# Altium PCB IoT_Greenhouse V1.0 A.PcbDoc (part 1 of 2) (continued)
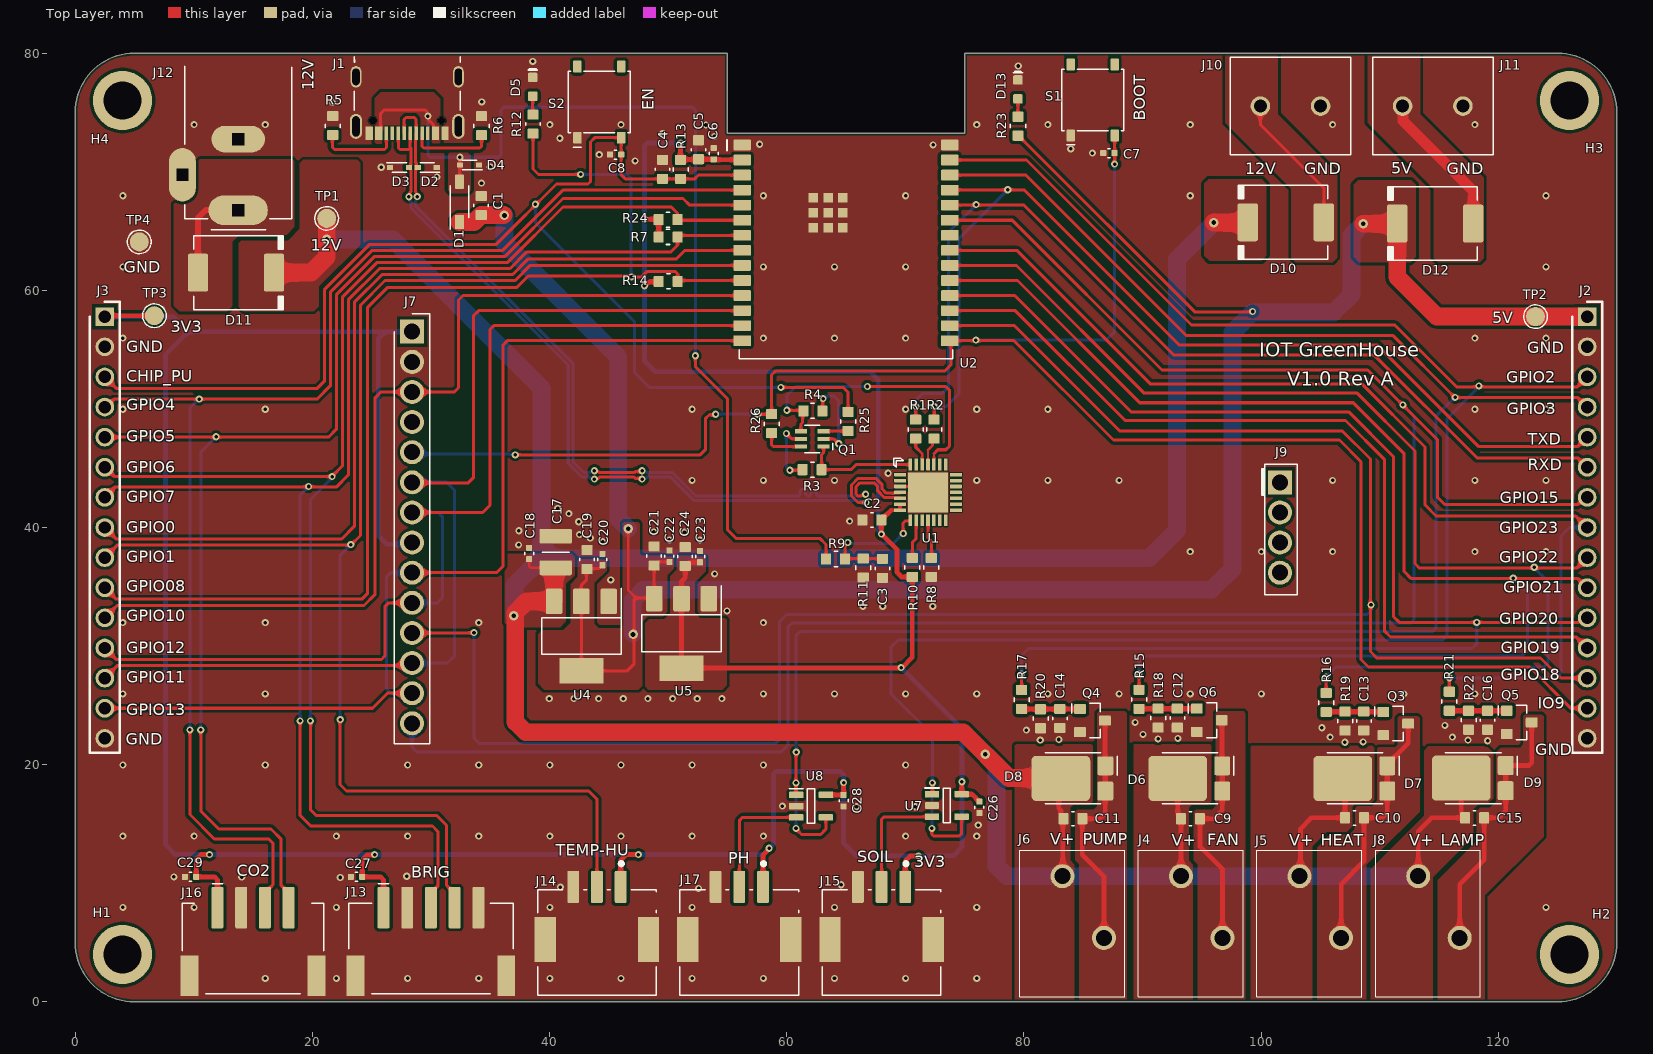
[diagram p0: Top Layer view]
## Part data (continued)
Q3 Q4 Q5 Q6: library part TRANS_FET_CH_N_20V_6.5A_DMG6968U-7, "Trans Mosfet N-ch 20V 6.5A 3-PIN SOT-23 T/r Trans Mosfet N-ch 20V 6.5A 3-PIN SOT-23 T/r", Case/Package=SOT-23-3, Continuous Drain Current (ID)=6.5A, Drain to Source Resistance=25mR, Drain to Source Voltage (Vdss)=20V, Drain-source On Resistance-Max=36mR, Gate to Source Voltage (Vgs)=12V, Input Capacitance=151pF, Manufacturer=Diodes, Max Operating Temperature=150°C, Max Power Dissipation=1.3W, Min Operating Temperature=-55°C, Package Quantity=1, Supplier Part Number 1=DMG6968UDICT-ND, Threshold Voltage=500mV, Category=MOSFETs, ComponentLink1Description=https://datasheet.ciiva.com/5774/ds31738-5774992.pdf?src-supplier=Farnell, ComponentLink1URL=https://datasheet.ciiva.com/5774/ds31738-5774992.pdf?src-supplier=Farnell, ComponentLink2Description=https://datasheet.ciiva.com/22712/1915638-22712395.pdf?src-supplier=Element14, ComponentLink2URL=https://datasheet.ciiva.com/22712/1915638-22712395.pdf?src-supplier=Element14, Fall Time=205ns, Height=1mm, Lead Free="Lead Free", Length=2.9mm, Manufacturer Part Number=DMG6968U-7, Mount="Surface Mount", Nominal Vgs=500mV, Number of Channels=1, Number of Pins=3, Packaging="Tape and Reel", Polarity=N-CHANNEL, Pricing 1="1=0.37, 10=0.289, 100=0.1732, 500=0.16034, 1000=0.10903 (USD)", Radiation Hardening=No, Rds On Max=25mR, Reach SVHC Compliant=No, Rise Time=66ns, RoHS=Yes, RoHS Compliant=Yes, Series=-, Stock 1=575891, Supplier 1=Digikey, Turn-Off Delay Time=613ns, Turn-On Delay Time=54ns, Weight=0.000282oz, Width=1.3mm
R1 R2 R25 R26: library part RES_0R_1%_100mW_0603, "RC Series 0603 0.1 W 0 Ohm Jumper Surface Mount Thick Film Chip Resistor", Case Code (Imperial)=0603, Case Code (Metric)=1608, Current Rating=1A, Manufacturer=Yageo, Max Operating Temperature=155°C, Max Power Dissipation=100mW, Min Operating Temperature=-55°C, Package Quantity=5000, Resistance=0R, Resistance Tolerance=1%, Resistor Type="Thick Film", Supplier Part Number 1=311-0.0HRCT-ND, Temperature Coefficient=200ppm/°C, Voltage Rating=50V, Working Voltage=75V, Case/Package=0603, Category="Chip SMD Resistors", ComponentLink1Description=https://datasheet.ciiva.com/11808/0900766b80f96399-11808172.pdf?src-supplier=Rs, ComponentLink1URL=https://datasheet.ciiva.com/11808/0900766b80f96399-11808172.pdf?src-supplier=Rs, ComponentLink2Description=https://datasheet.ciiva.com/5684/443971-5684699.pdf?src-supplier=Farnell, ComponentLink2URL=https://datasheet.ciiva.com/5684/443971-5684699.pdf?src-supplier=Farnell, ComponentLink3Description=https://datasheet.ciiva.com/7983/443971-7983627.pdf?src-supplier=Element14, ComponentLink3URL=https://datasheet.ciiva.com/7983/443971-7983627.pdf?src-supplier=Element14, ComponentLink4Description=https://datasheet.ciiva.com/22643/1868787-22643388.pdf?src-supplier=Element14, ComponentLink4URL=https://datasheet.ciiva.com/22643/1868787-22643388.pdf?src-supplier=Element14, ComponentLink5Description=https://datasheet.ciiva.com/46382/443971-46382072.pdf?src-supplier=Element14, ComponentLink5URL=https://datasheet.ciiva.com/46382/443971-46382072.pdf?src-supplier=Element14, ComponentLink6Description=https://datasheet.ciiva.com/29721/pyu-r-int-thick-7-29721178.pdf?src-supplier=Digi-Key, ComponentLink6URL=https://datasheet.ciiva.com/29721/pyu-r-int-thick-7-29721178.pdf?src-supplier=Digi-Key, ComponentLink7Description=https://datasheet.ciiva.com/29721/pyu-rc0603-51-rohs-l-4-29721179.pdf?src-supplier=Digi-Key, ComponentLink7URL=https://datasheet.ciiva.com/29721/pyu-rc0603-51-rohs-l-4-29721179.pdf?src-supplier=Digi-Key, ComponentLink8Description=https://datasheet.ciiva.com/5558/rc0603-272842-5558341.pdf?src-supplier=Mouser, ComponentLink8URL=https://datasheet.ciiva.com/5558/rc0603-272842-5558341.pdf?src-supplier=Mouser, Construction=Rectangular, Contact Plating=Tin,Matte, Depth=0.8mm, Features="Moisture Resistant", Height=0.45mm, Lead Free="Lead Free", Length=1.6mm, Manufacturer Part Number=RC0603FR-070RL, Military Standard=Not, Number of Pins=2, Number of Terminations=2, Packaging="Tape and Reel", Power Rating=100mW, Pricing 1="1=0.10000, 10=0.01800, 25=0.01320, 50=0.01000, 100=0.00730, 250=0.00560, 500=0.00448, 1000=0.00329 (USD)", Radiation Hardening=No, Reach SVHC Compliant=Yes, RoHS=Yes, RoHS Compliant=Yes, Series=RC, Stock 1=2843917, Supplier 1=Digi-Key, Technology="THICK FILM", Termination=SMD/SMT, Tolerance=1%, Voltage Rating (DC)=50V, Width=0.8mm
R3 R4 R8 R13 R14: library part RES_10K_1%_100mW_0603, "Chip Resistor Automotive Grade Thick Film 0603 10kOhm 1% Paper T/R", Case Code (Imperial)=0603, Case Code (Metric)=1608, Manufacturer=Yageo, Max Operating Temperature=155°C, Min Operating Temperature=-55°C, Power Rating=100mW, Resistance=10K, Supplier Part Number 1=13-AC0603FR-1010KLCT-ND, Temperature Coefficient=100ppm/°C, Tolerance=1%, Voltage Rating=50V, Case/Package=0603, Category="Chip SMD Resistors", ComponentLink1Description=http://www.mouser.com/ds/2/447/yageodocoutput-1111992.pdf?src-supplier=Mouser, ComponentLink1URL=http://www.mouser.com/ds/2/447/yageodocoutput-1111992.pdf?src-supplier=Mouser, Height=0.45mm, Length=1.6mm, Manufacturer Part Number=AC0603FR-1010KL, Packaging="Tape and Reel", Pricing 1="1=0.10000, 10=0.02500, 100=0.01030, 1000=0.00463, 2500=0.00402, 5000=0.00332 (USD)", RoHS=Yes, RoHS Compliant=Yes, Series=AC, Stock 1=172891, Supplier 1=Digi-Key, Supplier 2=Newark, Supplier 3=Avnet, Supplier Part Number 2=49AK0662, Supplier Part Number 3=49AK0662, Termination=SMD/SMT, Weight=7.1E-05oz, Width=0.8mm
R5 R6: library part RES_5.1K_1%_100mW_0603, "SMD Chip Resistor, 5.1 kOhm, ± 1%, 100 mW, 0603 [1608 Metric], Thick Film, General Purpose", Case Code (Imperial)=0603, Case Code (Metric)=1608, Manufacturer=Yageo, Max Operating Temperature=155°C, Max Power Dissipation=100mW, Min Operating Temperature=-55°C, Package Quantity=1, Resistance=5.1K, Resistance Tolerance=1%, Resistor Type="Thick Film", Supplier Part Number 1=311-5.10KHRCT-ND, Temperature Coefficient=100ppm/°C, Voltage Rating=50V, Case/Package=0603, Category="Chip SMD Resistors", ComponentLink1Description=https://datasheet.ciiva.com/15189/getdatasheetpartid-326732-15189786.pdf?src-supplier=Verical, ComponentLink1URL=https://datasheet.ciiva.com/15189/getdatasheetpartid-326732-15189786.pdf?src-supplier=Verical, ComponentLink2Description=https://datasheet.ciiva.com/46395/443971-46395016.pdf?src-supplier=Element14, ComponentLink2URL=https://datasheet.ciiva.com/46395/443971-46395016.pdf?src-supplier=Element14, ComponentLink3Description=https://datasheet.ciiva.com/2454/pyu-r-int-thick-7-2454045.pdf?src-supplier=Digi-Key, ComponentLink3URL=https://datasheet.ciiva.com/2454/pyu-r-int-thick-7-2454045.pdf?src-supplier=Digi-Key, ComponentLink4Description=https://datasheet.ciiva.com/2454/pyu-r-int-thick-7-2454046.pdf?src-supplier=Digi-Key, ComponentLink4URL=https://datasheet.ciiva.com/2454/pyu-r-int-thick-7-2454046.pdf?src-supplier=Digi-Key, ComponentLink5Description=https://datasheet.ciiva.com/2454/pyu-r-int-thick-7-2454047.pdf?src-supplier=Digi-Key, ComponentLink5URL=https://datasheet.ciiva.com/2454/pyu-r-int-thick-7-2454047.pdf?src-supplier=Digi-Key, Construction=Rectangular, Depth=0.8mm, Features="Moisture Resistant", Height=0.022inch, Lead Free="Lead Free", Length=0.063inch, Manufacturer Part Number=RC0603FR-075K1L, Military Standard=Not, Number of Pins=2, Number of Terminations=2, Packaging="Tape and Reel", Power Rating=100mW, Pricing 1="1=0.1, 10=0.018, 50=0.0106, 100=0.0088, 500=0.00592, 1000=0.00505 (USD)", Reach SVHC Compliant=No, RoHS=Yes, RoHS Compliant=Yes, Series=RC, Size Code=0603, Stock 1=3197702, Supplier 1=Digi-Key, Termination=SMD/SMT, Tolerance=1%, Voltage Rating (DC)=50V, Width=0.031inch
R7 R24: library part RES_4.7K_1%_100mW_0603, "Res Thick Film 0603 4.7K Ohm 1% 1/10W ±100ppm/°C Molded SMD Paper T/R", Case Code (Imperial)=0603, Case Code (Metric)=1608, Manufacturer=Yageo, Max Operating Temperature=155°C, Max Power Dissipation=100mW, Min Operating Temperature=-55°C, Resistance=4.7K, Resistance Tolerance=1%, Resistor Type="Thick Film", Supplier Part Number 1=311-4.70KHRDKR-ND, Temperature Coefficient=100ppm/°C, Voltage Rating=50V, Case/Package=0603, Category="Chip SMD Resistors", ComponentLink1Description=https://datasheet.ciiva.com/15189/getdatasheetpartid-422754-15189760.pdf?src-supplier=Verical, ComponentLink1URL=https://datasheet.ciiva.com/15189/getdatasheetpartid-422754-15189760.pdf?src-supplier=Verical, ComponentLink2Description=https://datasheet.ciiva.com/7660/38590-7660794.pdf?src-supplier=Element14, ComponentLink2URL=https://datasheet.ciiva.com/7660/38590-7660794.pdf?src-supplier=Element14, ComponentLink3Description=https://datasheet.ciiva.com/22747/443971-22747528.pdf?src-supplier=Element14, ComponentLink3URL=https://datasheet.ciiva.com/22747/443971-22747528.pdf?src-supplier=Element14, ComponentLink4Description=https://datasheet.ciiva.com/46440/1868787-46440909.pdf?src-supplier=Element14, ComponentLink4URL=https://datasheet.ciiva.com/46440/1868787-46440909.pdf?src-supplier=Element14, ComponentLink5Description=https://datasheet.ciiva.com/7746/1868787-7746365.pdf?src-supplier=Element14, ComponentLink5URL=https://datasheet.ciiva.com/7746/1868787-7746365.pdf?src-supplier=Element14, ComponentLink6Description=https://datasheet.ciiva.com/7746/1738695-7746366.pdf?src-supplier=Element14, ComponentLink6URL=https://datasheet.ciiva.com/7746/1738695-7746366.pdf?src-supplier=Element14, Construction=Rectangular, Depth=0.8mm, Features="Moisture Resistant", Height=0.45mm, Lead Free="Lead Free", Lead Pitch=0.3mm, Length=1.6mm, Manufacturer Part Number=RC0603FR-074K7L, Military Standard=Not, Number of Pins=2, Number of Terminations=2, Packaging="Tape and Reel", Power Rating=100mW, Pricing 1="1=0.10000, 10=0.01900, 100=0.00770, 1000=0.00345, 2500=0.00300 (USD)", RoHS=Yes, RoHS Compliant=Yes, Series=RC, Size Code=0603, Stock 1=12195533, Supplier 1=Digi-Key, Supplier 2=Newark, Supplier 3=Mouser, Supplier Part Number 2=75X0151, Supplier Part Number 3=603-RC0603FR-074K7L, Termination=SMD/SMT, Tolerance=1%, Voltage Rating (DC)=50V, Width=0.8mm
R9: library part RES_22.1K_1%_100mW_0603, "SMD Chip Resistor, 22.1 kOhm, ± 1%, 100 mW, 0603 [1608 Metric], Thick Film, General Purpose", Case Code (Imperial)=0603, Case Code (Metric)=1608, Manufacturer=Yageo, Max Operating Temperature=155°C, Max Power Dissipation=100mW, Min Operating Temperature=-55°C, Package Quantity=5000, Resistance=22.1K, Supplier Part Number 1=311-22.1KHRCT-ND, Temperature Coefficient=100ppm/°C, Tolerance=1%, Voltage Rating=50V, Case/Package=0603, Category="Chip SMD Resistors", ComponentLink1Description=https://datasheet.ciiva.com/12555/rc0603-272842-12555287.pdf?src-supplier=Mouser, ComponentLink1URL=https://datasheet.ciiva.com/12555/rc0603-272842-12555287.pdf?src-supplier=Mouser, Features="Moisture Resistant", Height=0.45mm, Lead Free=5697LeadFree, Length=1.6mm, Manufacturer Part Number=RC0603FR-0722K1L, Number of Terminations=2, Packaging="Tape and Reel", Power Rating=100mW, Pricing 1="1=0.1, 10=0.019, 50=0.0112, 100=0.0093, 500=0.00622, 1000=0.00532 (USD)", RoHS=Yes, RoHS Compliant=Yes, Series=RC, Size Code=0603, Stock 1=270995, Supplier 1=Digikey, Termination=SMD/SMT, Voltage Rating (DC)=50V, Width=0.8mm
R10: library part RES_1K_1%_100mW_0603, "Chip Resistor Automotive Grade Thick Film 0603 1kOhm 1% Paper T/R", Case Code (Imperial)=0603, Case Code (Metric)=1608, Manufacturer=Yageo, Max Operating Temperature=155°C, Min Operating Temperature=-55°C, Power Rating=100mW, Resistance=1K, Supplier Part Number 1=13-AC0603FR-101KLDKR-ND, Temperature Coefficient=100ppm/°C, Tolerance=1%, Voltage Rating=50V, Case/Package=0603, Category="Chip SMD Resistors", ComponentLink1Description=http://www.mouser.com/ds/2/447/yageodocoutput-1111992.pdf?src-supplier=Mouser, ComponentLink1URL=http://www.mouser.com/ds/2/447/yageodocoutput-1111992.pdf?src-supplier=Mouser, Height=0.45mm, Length=1.6mm, Manufacturer Part Number=AC0603FR-101KL, Packaging="Tape and Reel", Pricing 1="1=0.10000, 10=0.02500, 100=0.01030, 1000=0.00463, 2500=0.00402, 5000=0.00332 (USD)", RoHS=Yes, RoHS Compliant=Yes, Series=AC, Stock 1=108593, Supplier 1=Digi-Key, Supplier 2=Newark, Supplier 3=Mouser, Supplier Part Number 2=31AK9289, Supplier Part Number 3=603-AC0603FR-101KL, Termination=SMD/SMT, Width=0.8mm
R11: library part RES_47.5K_1%_100mW_0603, "SMD Chip Resistor, 47.5 kOhm, ± 1%, 100 mW, 0603 [1608 Metric], Thick Film, General Purpose", Case Code (Imperial)=0603, Case Code (Metric)=1608, Manufacturer=Yageo, Max Operating Temperature=155°C, Max Power Dissipation=100mW, Min Operating Temperature=-55°C, Ratings=AEC-Q200, Resistance=47.5K, Supplier Part Number 1=YAG5340CT-ND, Temperature Coefficient=100ppm/°C, Tolerance=1%, Voltage Rating=50V, Case/Package=0603, Category="Chip SMD Resistors", ComponentLink1Description=http://www.mouser.com/ds/2/447/yageodocoutput-1111992.pdf?src-supplier=Mouser, ComponentLink1URL=http://www.mouser.com/ds/2/447/yageodocoutput-1111992.pdf?src-supplier=Mouser, ComponentLink2Description=https://www.yageo.com/upload/media/product/productsearch/datasheet/rchip/PYu-AC_51_RoHS_L_7.pdf?src-supplier=Digikey, ComponentLink2URL=https://www.yageo.com/upload/media/product/productsearch/datasheet/rchip/PYu-AC_51_RoHS_L_7.pdf?src-supplier=Digikey, ComponentLink3Description=http://www.yageo.com/NewPortal/yageodocoutput?fileName=/pdf/R-Chip/PYu-AC_51_RoHS_L_6.pdf&src-supplier=Digikey, ComponentLink3URL=http://www.yageo.com/NewPortal/yageodocoutput?fileName=/pdf/R-Chip/PYu-AC_51_RoHS_L_6.pdf&src-supplier=Digikey, ComponentLink4Description=http://www.yageo.com/NewPortal/yageodocoutput?fileName=/pdf/R-Chip/PYu-AC_51_RoHS_L_5.pdf&src-supplier=Digikey, ComponentLink4URL=http://www.yageo.com/NewPortal/yageodocoutput?fileName=/pdf/R-Chip/PYu-AC_51_RoHS_L_5.pdf&src-supplier=Digikey, Features="Moisture Resistant,Automotive AEC-Q200", Height=0.022inch, Length=0.063inch, Manufacturer Part Number=AC0603FR-0747K5L, Number of Terminations=2, Packaging="Tape and Reel", Power Rating=100mW, Pricing 1="1=0.1, 10=0.021, 50=0.013, 100=0.0108, 500=0.00734, 1000=0.00633 (USD)", RoHS=Yes, RoHS Compliant=Yes, Series=AC, Stock 1=18567, Supplier 1=Digikey, Termination=SMD/SMT, Width=0.8mm
R12: library part RES_100R_1%_100MW_0603, "Res Thick Film 0603 100 Ohm 1% 1/10W ±100ppm/°C Molded SMD Punched Carrier T/R", Case Code (Imperial)=0603, Case Code (Metric)=1608, Manufacturer=Panasonic, Max Operating Temperature=155°C, Max Power Dissipation=100mW, Min Operating Temperature=-55°C, Package Quantity=5000, Resistance=100R, Resistance Tolerance=1%, Resistor Type="Thick Film", Supplier Part Number 1=667-ERJ-3EKF1000V, Temperature Coefficient=100ppm/°C, Voltage Rating=75V, Case/Package=0603, Category="Chip SMD Resistors", ComponentLink1Description=https://datasheet.ciiva.com/34303/1987450-34303565.pdf?src-supplier=Jameco, ComponentLink1URL=https://datasheet.ciiva.com/34303/1987450-34303565.pdf?src-supplier=Jameco, ComponentLink2Description=https://datasheet.ciiva.com/24159/aoa0000ce2-24159753.pdf?src-supplier=Mouser, ComponentLink2URL=https://datasheet.ciiva.com/24159/aoa0000ce2-24159753.pdf?src-supplier=Mouser, ComponentLink3Description=https://datasheet.ciiva.com/30088/aoa0000ce2-30088649.pdf?src-supplier=Onlinecomponents.com, ComponentLink3URL=https://datasheet.ciiva.com/30088/aoa0000ce2-30088649.pdf?src-supplier=Onlinecomponents.com, ComponentLink4Description=https://datasheet.ciiva.com/16762/70260748-16762666.pdf?src-supplier=Allied+Electronics, ComponentLink4URL=https://datasheet.ciiva.com/16762/70260748-16762666.pdf?src-supplier=Allied+Electronics, ComponentLink5Description=https://datasheet.ciiva.com/16765/70260748-16765766.pdf?src-supplier=Allied+Electronics, ComponentLink5URL=https://datasheet.ciiva.com/16765/70260748-16765766.pdf?src-supplier=Allied+Electronics, ComponentLink6Description=https://datasheet.ciiva.com/9186/aoa0000ce2-9186725.pdf?src-supplier=Avnet, ComponentLink6URL=https://datasheet.ciiva.com/9186/aoa0000ce2-9186725.pdf?src-supplier=Avnet, ComponentLink7Description=https://datasheet.ciiva.com/48530/aoa0000ce2-48530986.pdf?src-supplier=Avnet, ComponentLink7URL=https://datasheet.ciiva.com/48530/aoa0000ce2-48530986.pdf?src-supplier=Avnet, ComponentLink8Description=https://datasheet.ciiva.com/22667/1678782-22667887.pdf?src-supplier=Element14, ComponentLink8URL=https://datasheet.ciiva.com/22667/1678782-22667887.pdf?src-supplier=Element14, ComponentLink9Description=https://datasheet.ciiva.com/46372/1678782-46372726.pdf?src-supplier=Element14, ComponentLink9URL=https://datasheet.ciiva.com/46372/1678782-46372726.pdf?src-supplier=Element14, ComponentLink10Description=https://datasheet.ciiva.com/46372/1678782-46372727.pdf?src-supplier=Element14, ComponentLink10URL=https://datasheet.ciiva.com/46372/1678782-46372727.pdf?src-supplier=Element14, ComponentLink11Description=https://datasheet.ciiva.com/7830/aoa0000ce2-7830728.pdf?src-supplier=Element14, ComponentLink11URL=https://datasheet.ciiva.com/7830/aoa0000ce2-7830728.pdf?src-supplier=Element14, Construction=Rectangular, Contact Plating=Tin, Depth=0.8mm, Features="Automotive AEC-Q200", Height=0.45mm, Lead Free="Lead Free", Length=1.6mm, Manufacturer Part Number=ERJ3EKF1000V, Military Standard=Not, Mount="Surface Mount", Number of Terminations=2, Packaging="Tape and Reel", Power Rating=100mW, Pricing 1="1=0.1, 10=0.024, 50=0.024, 100=0.011, 1000=0.008, 10000=0.005 (USD)", Radiation Hardening=No, Reach SVHC Compliant=No, RoHS=Yes, RoHS Compliant=Yes, Series=ERJ, Size Code=0603, Stock 1=2420097, Supplier 1=Mouser, Termination=SMD/SMT, Tolerance=1%, Voltage Rating (DC)=75V, Weight=7.1E-05oz, Width=0.8mm
R15 R16 R17 R21: library part RES_10R_5%_100mW_0603, "SMD Chip Resistor, 10 Ohm, ± 5%, 100 mW, 0603 [1608 Metric], Thick Film, General Purpose", Case Code (Imperial)=0603, Case Code (Metric)=1608, Manufacturer=Yageo, Max Operating Temperature=155°C, Max Power Dissipation=100mW, Min Operating Temperature=-55°C, Resistance=10R, Resistance Tolerance=5%, Resistor Type="Thick Film", Supplier Part Number 1=311-10GRCT-ND, Temperature Coefficient=200ppm/°C, Voltage Rating=50V, Case/Package=0603, Category="Chip SMD Resistors", ComponentLink1Description=https://datasheet.ciiva.com/46395/443971-46395069.pdf?src-supplier=Element14, ComponentLink1URL=https://datasheet.ciiva.com/46395/443971-46395069.pdf?src-supplier=Element14, ComponentLink2Description=https://datasheet.ciiva.com/7746/443971-7746431.pdf?src-supplier=Element14, ComponentLink2URL=https://datasheet.ciiva.com/7746/443971-7746431.pdf?src-supplier=Element14, Construction=Rectangular, Depth=0.8mm, Features="Moisture Resistant", Lead Free="Lead Free", Length=1.6mm, Manufacturer Part Number=RC0603JR-0710RL, Military Standard=Not, Number of Pins=2, Number of Terminations=2, Packaging="Tape and Reel", Power Rating=100mW, Pricing 1="1=0.1, 10=0.024, 50=0.0154, 100=0.013, 500=0.00894, 1000=0.00773 (USD)", Reach SVHC Compliant=No, RoHS=Yes, RoHS Compliant=Yes, Series=RC, Size Code=0603, Stock 1=769777, Supplier 1=Digi-Key, Termination=SMD/SMT, Tolerance=5%, Voltage Rating (DC)=50V, Width=0.8mm
R18 R19 R20 R22: library part RES_100K_1%_100mW_0603, "RES SMD 100K OHM 1% 1/10W 0603", Case Code (Imperial)=0603, Case Code (Metric)=1608, Manufacturer=Yageo, Max Operating Temperature=155°C, Max Power Dissipation=100mW, Min Operating Temperature=-55°C, Resistance=100K, Resistance Tolerance=1%, Resistor Type="Thick Film", Supplier Part Number 1=311-100KHRDKR-ND, Temperature Coefficient=100ppm/°C, Voltage Rating=50V, Working Voltage=75V, Case/Package=0603, Category="Chip SMD Resistors", ComponentLink1Description=https://datasheet.ciiva.com/11808/0900766b80f96399-11808107.pdf?src-supplier=Rs, ComponentLink1URL=https://datasheet.ciiva.com/11808/0900766b80f96399-11808107.pdf?src-supplier=Rs, ComponentLink2Description=https://datasheet.ciiva.com/7983/443971-7983593.pdf?src-supplier=Element14, ComponentLink2URL=https://datasheet.ciiva.com/7983/443971-7983593.pdf?src-supplier=Element14, ComponentLink3Description=https://datasheet.ciiva.com/22747/443971-22747516.pdf?src-supplier=Element14, ComponentLink3URL=https://datasheet.ciiva.com/22747/443971-22747516.pdf?src-supplier=Element14, ComponentLink4Description=https://datasheet.ciiva.com/46440/1868787-46440889.pdf?src-supplier=Element14, ComponentLink4URL=https://datasheet.ciiva.com/46440/1868787-46440889.pdf?src-supplier=Element14, ComponentLink5Description=https://datasheet.ciiva.com/7746/1738695-7746235.pdf?src-supplier=Element14, ComponentLink5URL=https://datasheet.ciiva.com/7746/1738695-7746235.pdf?src-supplier=Element14, ComponentLink6Description=https://datasheet.ciiva.com/7746/1738695-7746234.pdf?src-supplier=Element14, ComponentLink6URL=https://datasheet.ciiva.com/7746/1738695-7746234.pdf?src-supplier=Element14, Construction=Rectangular, Depth=0.8mm, Features="Moisture Resistant", Height=0.45mm, Lead Free="Lead Free", Length=1.6mm, Manufacturer Part Number=RC0603FR-07100KL, Military Standard=Not, Number of Pins=2, Number of Terminations=2, Packaging="Tape and Reel", Power Rating=100mW, Pricing 1="1=0.10000, 10=0.01900, 100=0.00770, 1000=0.00345, 2500=0.00300 (USD)", Reach SVHC Compliant=Yes, RoHS=Yes, RoHS Compliant=Yes, Series=RC, Stock 1=11038732, Supplier 1=Digi-Key, Technology="THICK FILM", Termination=SMD/SMT, Tolerance=1%, Voltage Rating (DC)=50V, Width=0.8mm
R23: library part RES_130R_5%_100mW_0603, "Res Thick Film 0603 130 Ohm 5% 1/10W ±100ppm/°C Molded SMD SMD Paper T/R", Case Code (Imperial)=0603, Case Code (Metric)=1608, Manufacturer=Yageo, Max Operating Temperature=155°C, Max Power Dissipation=100mW, Min Operating Temperature=-55°C, Package Quantity=1, Resistence=130R, Resistor Type="Thick Film", Supplier Part Number 1=311-130GRCT-ND, Temperature Coefficient=100ppm/°C, Tolerance=5%, Voltage Rating=50V, Working Voltage=75V, Case/packcage=0603, Category="Chip SMD Resistors", ComponentLink1Description=https://datasheet.ciiva.com/2518/pyu-r-int-thick-7-2518866.pdf?src-supplier=Digi-Key, ComponentLink1URL=https://datasheet.ciiva.com/2518/pyu-r-int-thick-7-2518866.pdf?src-supplier=Digi-Key, ComponentLink2Description=https://datasheet.ciiva.com/2518/pyu-r-int-thick-7-2518865.pdf?src-supplier=Digi-Key, ComponentLink2URL=https://datasheet.ciiva.com/2518/pyu-r-int-thick-7-2518865.pdf?src-supplier=Digi-Key, ComponentLink3Description=https://datasheet.ciiva.com/8887/pyu-rc0603-51-rohs-l-4-8887501.pdf?src-supplier=Avnet, ComponentLink3URL=https://datasheet.ciiva.com/8887/pyu-rc0603-51-rohs-l-4-8887501.pdf?src-supplier=Avnet, Construction=Rectangular, Contact Plating=Tin,Matte, Depth=0.8mm, Features="Moisture Resistant", Height=0.022inch, Lead Free="Lead Free", Length=0.063inch, Manufacturer Part Number=RC0603JR-07130RL, Military Standard=Not, Number of Terminations=2, Packaging="Tape and Reel", Power Rating=100mW, Pricing 1="1=0.10000, 10=0.01600, 100=0.00640, 1000=0.00286, 2500=0.00248 (USD)", Radiation Hardening=No, RoHS=Yes, RoHS Compliant=Yes, Series=RC, Stock 1=487963, Supplier 1=Digi-Key, Supplier 2=Mouser, Supplier 3=Avnet, Supplier Part Number 2=603-RC0603JR-07130RL, Supplier Part Number 3=RC0603JR-07130RL, Termination=SMD/SMT, Voltage Rating (DC)=50V, Width=0.031inch
S1 S2: library part SWITCH_NO_SPST_0.05A, "Switch Tactile N.O. SPST Round Button Gull Wing 0.05A 12VDC 200000Cycles 2.55N SMD T/R", Manufacturer="ITT C&K", Supplier Part Number 1=CKN12221-6-ND, Category=Uncategorized, Manufacturer Part Number=PTS526SK15SMTR2LFS, Pricing 1="1=0.12, 10=0.12, 25=0.114, 100=0.1035, 250=0.09732, 500=0.08904, 1000=0.07454 (USD)", RoHS=No, Stock 1=382158, Supplier 1=Digi-Key
TP1 TP2 TP3 TP4: library part TP_PAD_SMD_Round, "Test Point, SMD pad, round, 1.5mm, 1.6mm, 3mm diameter"
U1: library part IC_BRIDGE_UART_CP2102N-A02-GQFN28R, "Full Speed USB to UART Bridge USB 2.0 3.3V T/R Automotive 28-Pin QFN EP", Case/Package=QFN, Manufacturer="Silicon Labs", Max Operating Temperature=85°C, Min Operating Temperature=-40°C, Operating Supply Current=9.5mA, Supplier Part Number 1=336-5890-1-ND, Category="USB Interface ICs", ComponentLink1Description=https://www.silabs.com/documents/public/data-sheets/cp2102n-datasheet.pdf?src-supplier=Digikey, ComponentLink1URL=https://www.silabs.com/documents/public/data-sheets/cp2102n-datasheet.pdf?src-supplier=Digikey, ComponentLink2Description=https://4donline.ihs.com/images/VipMasterIC/IC/SILC/SILC-S-A0007770867/SILC-S-A0007770867-1.pdf?hkey=6D3A4C79FDBF58556ACFDE234799DDF0&src-supplier=Farnell, ComponentLink2URL=https://4donline.ihs.com/images/VipMasterIC/IC/SILC/SILC-S-A0007770867/SILC-S-A0007770867-1.pdf?hkey=6D3A4C79FDBF58556ACFDE234799DDF0&src-supplier=Farnell, Interface=UART, Manufacturer Part Number=CP2102N-A02-GQFN28R, Packaging="Cut Tape", Pricing 1="1=4.66, 10=4.183, 25=3.954, 100=3.4269, 250=3.2512, 500=2.91728 (USD)", RoHS=Yes, Series=USBXpress™, Stock 1=29620, Supplier 1=Digikey
U2: library part IC_MODULE_ESP32-C6-WROOM-1-N4, "ESP32-C6-WROOM-1-N4 Engineering Module - 4 MB Quad SPI Flash", Manufacturer="Espressif Systems", Supplier Part Number 1=1965-ESP32-C6-WROOM-1-N4CT-ND, Category=LDO, Manufacturer Part Number=ESP32-C6-WROOM-1-N4, Pricing 1="1=2.85 (USD)", RoHS=No, Stock 1=4715, Supplier 1=Digikey
U4: library part IC_REG_LDO_5V_1A_AZ1117IH-5.0TRG1, "LDO Regulator Pos 5V 1A 3-Pin SOT-223 T/R", Case/Package=TO-261-4, Dropout Voltage=1.2V, Manufacturer=Diodes, Max Operating Temperature=125°C, Min Current Limit=1A, Min Operating Temperature=-40°C, Output Current=800mA, Output Voltage=5V, Supplier Part Number 1=AZ1117IH-5.0TRG1DIDKR-ND, Category="Voltage Regulators - Linear", ComponentLink1Description=https://www.diodes.com/assets/Datasheets/AZ1117I.pdf?src-supplier=Digi-Key, ComponentLink1URL=https://www.diodes.com/assets/Datasheets/AZ1117I.pdf?src-supplier=Digi-Key, Manufacturer Part Number=AZ1117IH-5.0TRG1, Mount="Surface Mount", Number of Regulators=1, Packaging="Tape and Reel", Pricing 1="1=0.40000, 10=0.32100, 25=0.29360, 100=0.21840, 250=0.19796, 500=0.16384, 1000=0.12288 (USD)", RoHS=Yes, RoHS Compliant=Yes, Stock 1=138078, Supplier 1=Digi-Key
U5: library part IC_REG_LDO_3.3V_1A_AP2114H-3.3TRG1, "IC REG LDO 3.3V 1A SOT223", Manufacturer=Diodes, Supplier Part Number 1=AP2114H-3.3TRG1DICT-ND, Category="Voltage Regulators - Linear", ComponentLink1Description=https://datasheet.ciiva.com/29569/ap2114-29569881.pdf?src-supplier=Digikey, ComponentLink1URL=https://datasheet.ciiva.com/29569/ap2114-29569881.pdf?src-supplier=Digikey, ComponentLink2Description=https://datasheet.ciiva.com/29569/ap2114-29569882.pdf?src-supplier=Digikey, ComponentLink2URL=https://datasheet.ciiva.com/29569/ap2114-29569882.pdf?src-supplier=Digikey, ComponentLink3Description=https://datasheet.ciiva.com/29569/ap2114-29569883.pdf?src-supplier=Digikey, ComponentLink3URL=https://datasheet.ciiva.com/29569/ap2114-29569883.pdf?src-supplier=Digikey, Manufacturer Part Number=AP2114H-3.3TRG1, Pricing 1="1=0.41, 10=0.332, 25=0.304, 100=0.2262, 250=0.20504, 500=0.16968, 1000=0.12726 (USD)", RoHS=Yes, Stock 1=34610, Supplier 1=Digikey
U7 U8: library part IC_AMP_OP_TLV2371IDBVT, "Single 550-uA/channel, 3MHz, RRIO op amp 5-SOT-23 -40 to 125", Case/Package=SOT-23, Dual Supply Voltage=5V, Input Bias Current=60pA, Input Offset Voltage (Vos)=4.5mV, Manufacturer="Texas Instruments", Max Dual Supply Voltage=8V, Max Operating Temperature=125°C, Max Supply Voltage=16V, Min Dual Supply Voltage=1.35V, Min Operating Temperature=-40°C, Min Supply Voltage=2.7V, Operating Supply Current=750uA, Output Current=16mA, Package Quantity=1, Power Dissipation=385mW, Power Supply Rejection Ratio (PSRR)=70dB, Supplier Part Number 1=296-26785-6-ND, Supply Current=900uA, Voltage Gain=110dB, Amplifier Type="GENERAL PURPOSE", Bandwidth=3MHz, Category="Amplifiers - Op Amps, Buffer, Instrumentation", Common Mode Rejection Ratio=50dB, ComponentLink1Description=https://datasheet.ciiva.com/34301/1096243-34301979.pdf?src-supplier=Jameco, ComponentLink1URL=https://datasheet.ciiva.com/34301/1096243-34301979.pdf?src-supplier=Jameco, ComponentLink2Description=https://datasheet.ciiva.com/1813/tlv2370-1813657.pdf?src-supplier=Digikey, ComponentLink2URL=https://datasheet.ciiva.com/1813/tlv2370-1813657.pdf?src-supplier=Digikey, ComponentLink3Description=https://datasheet.ciiva.com/1813/tlv2370-1813658.pdf?src-supplier=Digikey, ComponentLink3URL=https://datasheet.ciiva.com/1813/tlv2370-1813658.pdf?src-supplier=Digikey, ComponentLink4Description=https://datasheet.ciiva.com/1813/tlv2370-1813659.pdf?src-supplier=Digikey, ComponentLink4URL=https://datasheet.ciiva.com/1813/tlv2370-1813659.pdf?src-supplier=Digikey, ComponentLink5Description=https://datasheet.ciiva.com/2974/slos270d-2974406.pdf?src-supplier=Avnet, ComponentLink5URL=https://datasheet.ciiva.com/2974/slos270d-2974406.pdf?src-supplier=Avnet, ComponentLink6Description=https://datasheet.ciiva.com/2974/slos270d-2974407.pdf?src-supplier=Avnet, ComponentLink6URL=https://datasheet.ciiva.com/2974/slos270d-2974407.pdf?src-supplier=Avnet, ComponentLink7Description=https://datasheet.ciiva.com/22707/1877122-22707949.pdf?src-supplier=Element14, ComponentLink7URL=https://datasheet.ciiva.com/22707/1877122-22707949.pdf?src-supplier=Element14, ComponentLink8Description=https://datasheet.ciiva.com/46386/1877122-46386527.pdf?src-supplier=Element14, ComponentLink8URL=https://datasheet.ciiva.com/46386/1877122-46386527.pdf?src-supplier=Element14, ComponentLink9Description=https://datasheet.ciiva.com/7848/1877122-7848285.pdf?src-supplier=Element14, ComponentLink9URL=https://datasheet.ciiva.com/7848/1877122-7848285.pdf?src-supplier=Element14, Gain Bandwidth Product=3MHz, Height=1.15mm, Lead Free="Lead Free", Length=2.9mm, Manufacturer Part Number=TLV2371IDBVT, Max I/O Voltage=4.5mV, Nominal Gain Bandwidth Product=3MHz, Number of Amplifiers=1, Number of Channels=1, Number of Circuits=1, Number of Elements=1, Number of Pins=5, Operating Supply Voltage=8V, Output Current per Channel=16mA, Packaging="Tape and Reel", Pricing 1="1=1.65, 10=1.483, 25=1.3988, 100=1.1918 (USD)", Radiation Hardening=No, Reach SVHC Compliant=No, RoHS=Yes, RoHS Compliant=Yes, Series=-, Slew Rate=2.4V/µs, Stock 1=25753, Supplier 1=Digikey, Unity Gain Bandwidth Product=3MHz, Width=1.6mm

## Via types
v1: diameter 0.6, hole 0.3, Top Layer to Bottom Layer, tented both sides, 246 vias
v2: diameter 0.8, hole 0.4, Top Layer to Bottom Layer, tented both sides, 8 vias